# Altium PCB SuperCapV0.PcbDoc (continued)
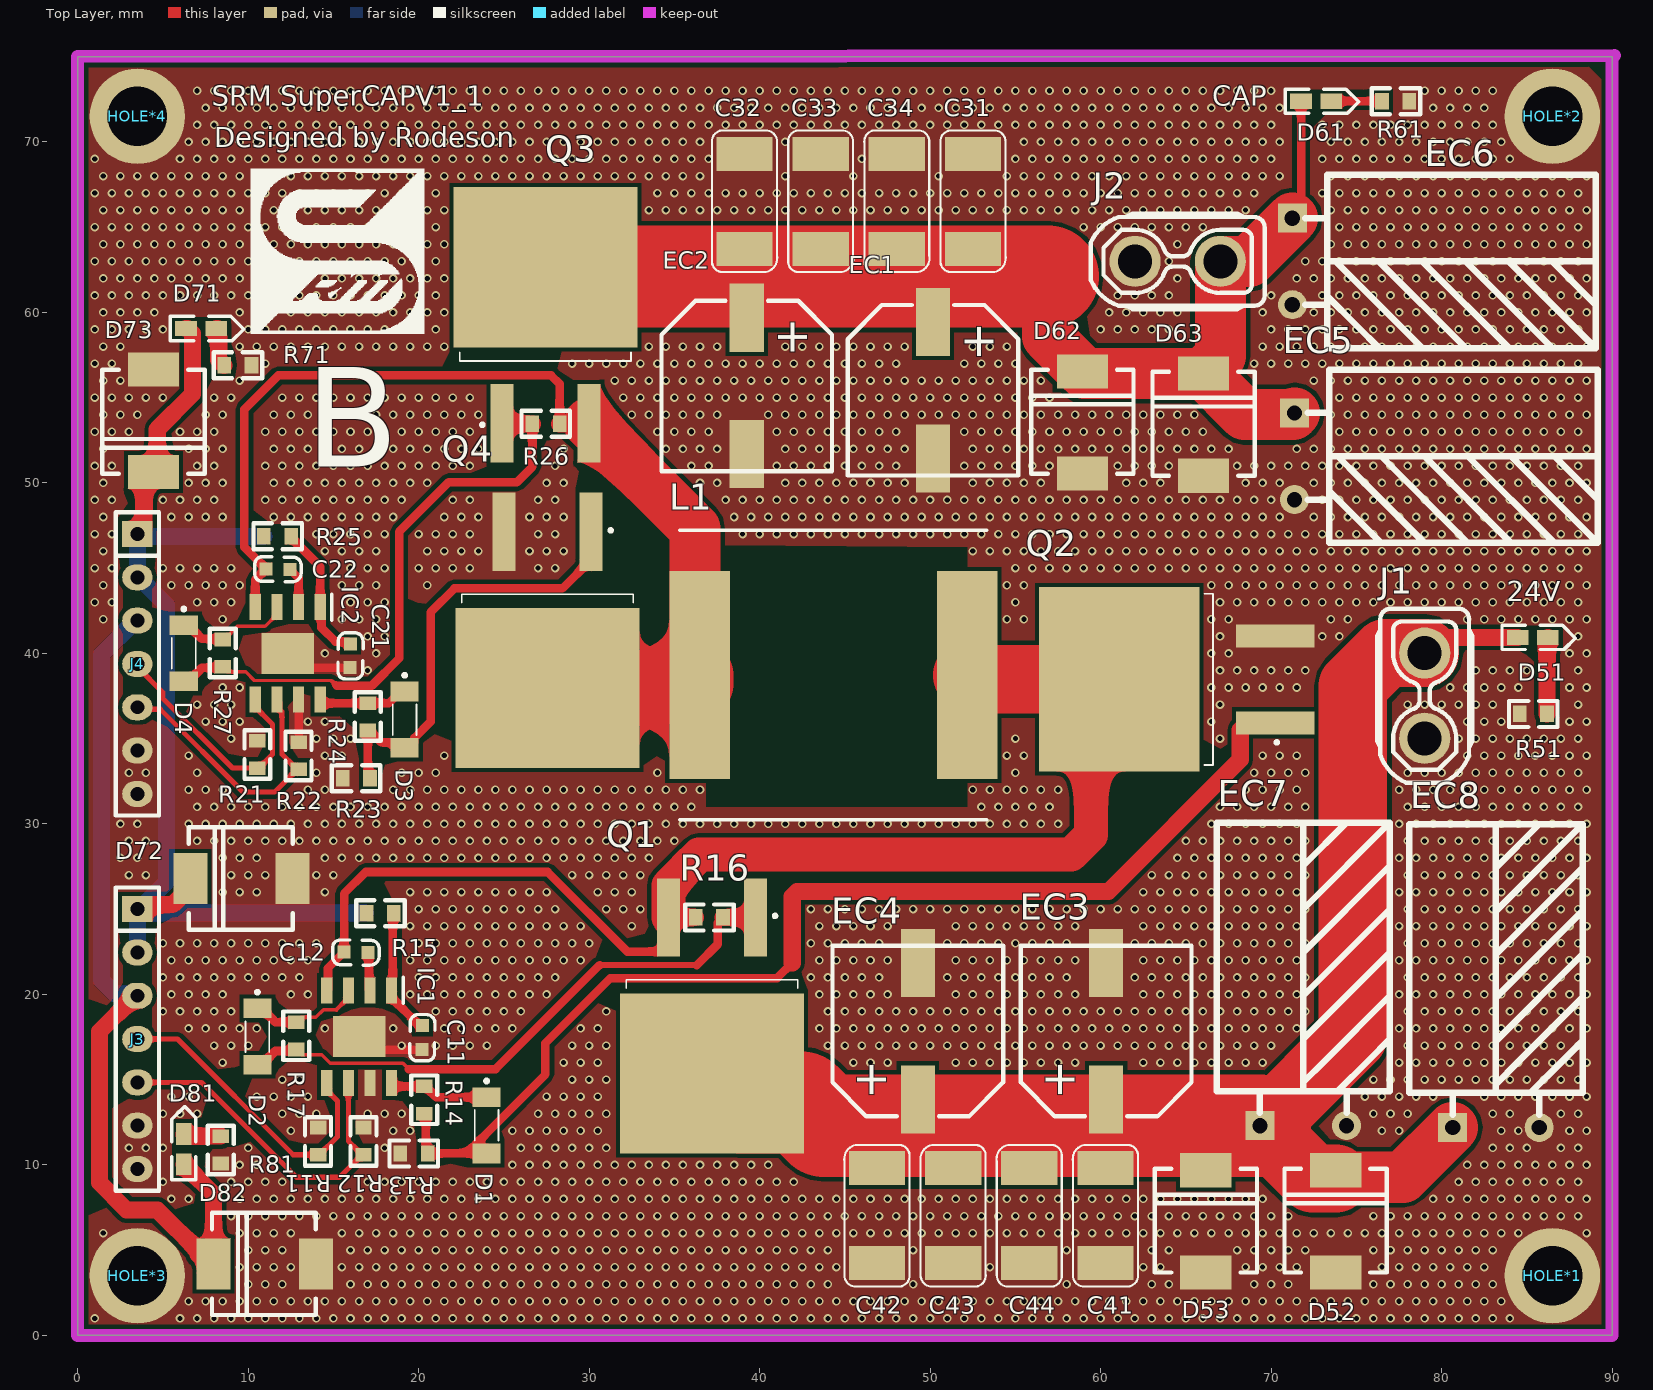
[diagram p0: Top Layer view]
## Nets (pads, with @x,y where several pads share a name; then routed paths per layer and width w, separated by ;. In a path a pad name is that pad's centre, name@x,y a point inside that pad or via, vN(x,y) a via of type N, cw(c..) or ccw(c..) an arc to the next point about the centre after c; other vN are vias at no path point)
5V: D81.A D82.K J3.3 J4.3 | length 51.3
  Top Layer w1: J3.3 3.373,19.92 1.27,17.817 1.27,8.959 2.87,7.359 4.667,7.359 7.054,4.972 7.054,4.757 7.62,4.191 D82.K ; D81.A 7.97,8.286 D82.K@7.97,4.691
  Bottom Layer w1: J3.3 3.4,20.02 2.205,20.02 1.397,20.828 1.397,39.944 3.373,41.92 J4.3
12V: D71.A D72.K D73.K J3.1 J3.2 J4.1 J4.2 R15.2 R25.2 | length 64.9
  Top Layer w1: J3.1 3.762,25.262 5.569,25.262 6.604,26.297 D72.K ; J4.1 3.627,47 3.889,47.262 3.889,50.142 4.389,50.642 D73.K 4.666,50.863 4.666,53.142 6.731,55.207 6.731,58.76 6.43,59.062 D71.A
  Bottom Layer w1: J3.2 J3.1 ; 10.922,46.863 3.637,46.863 J4.1 J4.2 3.588,44.46 5.207,42.841 5.207,26.58 3.627,25 J3.1 ; 16.891,24.765 3.735,24.765 J3.1
24V: C41.1 C42.1 C43.1 C44.1 D51.A D52.K D53.K EC3.1 EC4.1 EC7.1 EC8.1 J1.1 Q1.2 | length 84.6
  Top Layer w1: 80.466,40.939 D51.A
  Top Layer w3: D52.K 74.199,9.271 77.724,9.271 EC8.1
  Top Layer w4: D52.K@73.787,9.196 72.446,9.196 EC7.1 69.583,12.3 74.791,17.508 74.791,38.088 76.723,40.02 J1.1
  Top Layer w6: Q1.2 38.901,13.661 42.435,13.661 43.796,12.3 EC7.1
CAP: C31.1 C32.1 C33.1 C34.1 D61.A D62.K D63.K EC1.1 EC2.1 EC5.1 EC6.1 J2.1 Q3.2 | length 68.2
  Top Layer w0.5: EC6.1@71.755,66.04 D61.A
  Top Layer w3: 56.896,62.103 56.896,58.578 D62.K 59.055,56.419 D63.K ; EC6.1 68.709,62.994 J2.1 67.02,57.44 66.04,56.461 D63.K ; EC5.1 71.278,54.006 68.453,54.006 D63.K
  Top Layer w6: Q3.2 27.981,62.103 39.243,62.103 56.896,62.103
GND: C11.1 C21.1 C31.2 C32.2 C33.2 C34.2 C41.2 C42.2 C43.2 C44.2 D52.A D53.A D62.A D63.A D72.A D73.A D82.A EC1.2 EC2.2 EC3.2 EC4.2 EC5.2 EC6.2 EC7.2 EC8.2 HOLE*1.1 HOLE*2.1 HOLE*3.1 HOLE*4.1 IC1.7 IC1.9 IC2.7 IC2.9 J1.2 J2.2 J3.6 J3.7 J4.6 J4.7 Q2.3 Q4.3 R11.2 R12.2 R13.1 R21.2 R22.2 R23.1 R51.1 R61.1 R71.1 R81.1 | length 10.5
  Top Layer w0.5: IC2.9 13.163,39.161 C21.1 ; R22.2 IC2.7 ; IC1.9 17.272,16.764 C11.1
  other v1: 1,1 6,1 7,1 8,1 9,1 10,1 11,1 12,1 13,1 14,1 15,1 16,1 17,1 18,1 19,1 20,1 21,1 22,1 23,1 24,1 25,1 26,1 27,1 28,1 29,1 30,1 31,1 32,1 33,1 34,1 35,1 36,1 37,1 38,1 39,1 40,1 41,1 42,1 43,1 44,1 45,1 46,1 47,1 48,1 49,1 50,1 51,1 52,1 53,1 54,1 55,1 56,1 57,1 58,1 59,1 60,1 61,1 62,1 63,1 64,1 65,1 66,1 67,1 68,1 69,1 70,1 71,1 72,1 73,1 74,1 75,1 76,1 77,1 78,1 79,1 80,1 81,1 82,1 83,1 84,1 6.5,2 7.5,2 8.5,2 9.5,2 10.5,2 11.5,2 12.5,2 13.5,2 14.5,2 15.5,2 16.5,2 17.5,2 18.5,2 19.5,2 20.5,2 21.5,2 22.5,2 23.5,2 24.5,2 25.5,2 26.5,2 27.5,2 28.5,2 29.5,2 30.5,2 31.5,2 32.5,2 33.5,2 34.5,2 35.5,2 36.5,2 37.5,2 38.5,2 39.5,2 40.5,2 41.5,2 42.5,2 43.5,2 44.5,2 45.5,2 46.5,2 47.5,2 48.5,2 49.5,2 50.5,2 51.5,2 52.5,2 53.5,2 54.5,2 55.5,2 56.5,2 57.5,2 58.5,2 59.5,2 60.5,2 61.5,2 62.5,2 63.5,2 64.5,2 65.5,2 66.5,2 67.5,2 68.5,2 69.5,2 70.5,2 71.5,2 72.5,2 73.5,2 74.5,2 75.5,2 76.5,2 77.5,2 78.5,2 79.5,2 80.5,2 81.5,2 82.5,2 83.5,2 10,3 11,3 12,3 16,3 17,3 18,3 19,3 20,3 21,3 22,3 23,3 24,3 25,3 26,3 27,3 28,3 29,3 30,3 31,3 32,3 33,3 34,3 35,3 36,3 37,3 38,3 39,3 40,3 41,3 42,3 43,3 44,3 49,3 58,3 63,3 64,3 69,3 70,3 71,3 76,3 77,3 78,3 79,3 80,3 81,3 82,3 83,3 9.5,4 10.5,4 11.5,4 12.5,4 15.5,4 16.5,4 17.5,4 18.5,4 19.5,4 20.5,4 21.5,4 22.5,4 23.5,4 24.5,4 25.5,4 26.5,4 27.5,4 28.5,4 29.5,4 30.5,4 31.5,4 32.5,4 33.5,4 34.5,4 35.5,4 36.5,4 37.5,4 38.5,4 39.5,4 40.5,4 41.5,4 42.5,4 43.5,4 44.5,4 53.5,4 62.5,4 63.5,4 68.5,4 69.5,4 70.5,4 71.5,4 76.5,4 77.5,4 78.5,4 79.5,4 80.5,4 81.5,4 82.5,4 10,5 11,5 12,5 16,5 17,5 18,5 19,5 20,5 21,5 22,5 23,5 24,5 25,5 26,5 27,5 28,5 29,5 30,5 31,5 32,5 33,5 34,5 35,5 36,5 37,5 38,5 39,5 40,5 41,5 42,5 43,5 44,5 49,5 58,5 63,5 64,5 68,5 69,5 70,5 71,5 72,5 76,5 77,5 78,5 79,5 80,5 81,5 82,5 83,5 1.5,6 9.5,6 10.5,6 11.5,6 12.5,6 15.5,6 16.5,6 17.5,6 18.5,6 19.5,6 20.5,6 21.5,6 22.5,6 23.5,6 24.5,6 25.5,6 26.5,6 27.5,6 28.5,6 29.5,6 30.5,6 31.5,6 32.5,6 33.5,6 34.5,6 35.5,6 36.5,6 37.5,6 38.5,6 39.5,6 40.5,6 41.5,6 42.5,6 43.5,6 44.5,6 45.5,6 46.5,6 47.5,6 48.5,6 49.5,6 50.5,6 51.5,6 52.5,6 53.5,6 54.5,6 55.5,6 56.5,6 57.5,6 58.5,6 59.5,6 60.5,6 61.5,6 62.5,6 63.5,6 64.5,6 65.5,6 66.5,6 67.5,6 68.5,6 69.5,6 70.5,6 71.5,6 72.5,6 73.5,6 74.5,6 75.5,6 76.5,6 77.5,6 78.5,6 79.5,6 80.5,6 81.5,6 82.5,6 83.5,6 84.5,6 88.5,6 9,7 10,7 11,7 12,7 13,7 14,7 15,7 16,7 17,7 18,7 19,7 20,7 21,7 22,7 23,7 24,7 25,7 26,7 27,7 28,7 29,7 30,7 31,7 32,7 33,7 34,7 35,7 36,7 37,7 38,7 39,7 40,7 41,7 42,7 43,7 44,7 45,7 46,7 47,7 48,7 49,7 50,7 51,7 52,7 53,7 54,7 55,7 56,7 57,7 58,7 59,7 60,7 61,7 62,7 63,7 64,7 65,7 66,7 67,7 68,7 69,7 70,7 71,7 76,7 77,7 78,7 79,7 80,7 81,7 82,7 83,7 84,7 85,7 86,7 87,7 88,7 5.5,8 6.5,8 9.5,8 10.5,8 11.5,8 12.5,8 13.5,8 14.5,8 15.5,8 16.5,8 17.5,8 18.5,8 19.5,8 20.5,8 21.5,8 22.5,8 23.5,8 24.5,8 25.5,8 26.5,8 27.5,8 28.5,8 29.5,8 30.5,8 31.5,8 32.5,8 33.5,8 34.5,8 35.5,8 36.5,8 37.5,8 38.5,8 39.5,8 40.5,8 41.5,8 42.5,8 43.5,8 44.5,8 45.5,8 46.5,8 47.5,8 48.5,8 49.5,8 50.5,8 51.5,8 52.5,8 53.5,8 54.5,8 55.5,8 56.5,8 57.5,8 58.5,8 59.5,8 60.5,8 61.5,8 62.5,8 63.5,8 64.5,8 65.5,8 66.5,8 67.5,8 68.5,8 69.5,8 79.5,8 80.5,8 81.5,8 82.5,8 83.5,8 84.5,8 85.5,8 86.5,8 87.5,8 88.5,8 5,9 9,9 10,9 11,9 12,9 17,9 18,9 19,9 20,9 21,9 22,9 23,9 24,9 25,9 26,9 27,9 28,9 29,9 30,9 31,9 32,9 33,9 34,9 35,9 36,9 37,9 38,9 39,9 40,9 41,9 42,9 81,9 82,9 83,9 84,9 85,9 86,9 87,9 88,9 9.5,10 10.5,10 25.5,10 26.5,10 27.5,10 28.5,10 29.5,10 30.5,10 31.5,10 32.5,10 33.5,10 34.5,10 35.5,10 36.5,10 37.5,10 38.5,10 39.5,10 40.5,10 81.5,10 82.5,10 83.5,10 84.5,10 85.5,10 86.5,10 87.5,10 88.5,10 3,11 4,11 5,11 10,11 18,11 26,11 27,11 28,11 29,11 30,11 31,11 83,11 84,11 85,11 87,11 88,11 12.5,12 18.5,12 19.5,12 25.5,12 26.5,12 27.5,12 28.5,12 29.5,12 30.5,12 76.5,12 77.5,12 83.5,12 84.5,12 87.5,12 88.5,12 5,13 6,13 7,13 12,13 13,13 14,13 17,13 18,13 19,13 27,13 28,13 29,13 30,13 31,13 76,13 77,13 78,13 83,13 84,13 87,13 88,13 5.5,14 6.5,14 10.5,14 11.5,14 12.5,14 13.5,14 27.5,14 28.5,14 29.5,14 30.5,14 75.5,14 76.5,14 77.5,14 78.5,14 79.5,14 82.5,14 83.5,14 84.5,14 85.5,14 86.5,14 87.5,14 88.5,14 12,15 13,15 29,15 30,15 31,15 76,15 77,15 78,15 79,15 80,15 81,15 82,15 83,15 84,15 85,15 86,15 87,15 88,15 8.5,16 28.5,16 29.5,16 30.5,16 45.5,16 46.5,16 47.5,16 51.5,16 52.5,16 53.5,16 54.5,16 55.5,16 56.5,16 57.5,16 58.5,16 62.5,16 63.5,16 64.5,16 65.5,16 66.5,16 67.5,16 68.5,16 69.5,16 77.5,16 78.5,16 79.5,16 80.5,16 81.5,16 82.5,16 83.5,16 84.5,16 85.5,16 86.5,16 87.5,16 88.5,16 8,17 9,17 10,17 19,17 21,17 22,17 23,17 24,17 29,17 30,17 31,17 44,17 45,17 46,17 47,17 48,17 49,17 50,17 51,17 52,17 53,17 54,17 55,17 56,17 57,17 58,17 59,17 60,17 61,17 62,17 63,17 64,17 65,17 66,17 67,17 68,17 69,17 70,17 78,17 79,17 80,17 81,17 82,17 83,17 84,17 85,17 86,17 87,17 88,17 6.5,18 7.5,18 8.5,18 9.5,18 10.5,18 14.5,18 18.5,18 21.5,18 22.5,18 23.5,18 24.5,18 25.5,18 29.5,18 30.5,18 43.5,18 44.5,18 45.5,18 46.5,18 47.5,18 48.5,18 49.5,18 50.5,18 51.5,18 52.5,18 53.5,18 54.5,18 55.5,18 56.5,18 57.5,18 58.5,18 59.5,18 60.5,18 61.5,18 62.5,18 63.5,18 64.5,18 65.5,18 66.5,18 67.5,18 68.5,18 69.5,18 70.5,18 71.5,18 77.5,18 78.5,18 79.5,18 80.5,18 81.5,18 82.5,18 83.5,18 84.5,18 85.5,18 86.5,18 87.5,18 88.5,18 5,19 6,19 7,19 8,19 9,19 21,19 22,19 23,19 24,19 25,19 26,19 31,19 44,19 45,19 46,19 47,19 48,19 49,19 50,19 51,19 52,19 53,19 54,19 55,19 56,19 57,19 58,19 59,19 60,19 61,19 62,19 63,19 64,19 65,19 66,19 67,19 68,19 69,19 70,19 71,19 72,19 78,19 79,19 80,19 81,19 82,19 83,19 84,19 85,19 86,19 87,19 88,19 5.5,20 6.5,20 7.5,20 8.5,20 12.5,20 13.5,20 19.5,20 20.5,20 21.5,20 22.5,20 23.5,20 24.5,20 25.5,20 26.5,20 27.5,20 43.5,20 44.5,20 45.5,20 46.5,20 47.5,20 51.5,20 52.5,20 53.5,20 54.5,20 55.5,20 56.5,20 57.5,20 58.5,20 62.5,20 63.5,20 64.5,20 65.5,20 66.5,20 67.5,20 68.5,20 69.5,20 70.5,20 71.5,20 77.5,20 78.5,20 79.5,20 80.5,20 81.5,20 82.5,20 83.5,20 84.5,20 85.5,20 86.5,20 87.5,20 88.5,20 5,21 6,21 7,21 8,21 9,21 10,21 11,21 12,21 13,21 20,21 21,21 22,21 23,21 24,21 25,21 26,21 27,21 28,21 43,21 44,21 45,21 46,21 47,21 51,21 52,21 53,21 54,21 55,21 56,21 57,21 58,21 62,21 63,21 64,21 65,21 66,21 67,21 68,21 69,21 70,21 71,21 72,21 78,21 79,21 80,21 81,21 82,21 83,21 84,21 85,21 86,21 87,21 88,21 5.5,22 6.5,22 7.5,22 8.5,22 9.5,22 10.5,22 11.5,22 12.5,22 13.5,22 19.5,22 20.5,22 21.5,22 22.5,22 23.5,22 24.5,22 25.5,22 26.5,22 27.5,22 28.5,22 29.5,22 43.5,22 44.5,22 45.5,22 46.5,22 47.5,22 51.5,22 52.5,22 53.5,22 54.5,22 55.5,22 56.5,22 57.5,22 58.5,22 62.5,22 63.5,22 64.5,22 65.5,22 66.5,22 67.5,22 68.5,22 69.5,22 70.5,22 71.5,22 77.5,22 78.5,22 79.5,22 80.5,22 81.5,22 82.5,22 83.5,22 84.5,22 85.5,22 86.5,22 87.5,22 88.5,22 5,23 6,23 7,23 8,23 9,23 10,23 11,23 12,23 13,23 14,23 20,23 21,23 22,23 23,23 24,23 25,23 26,23 27,23 28,23 29,23 30,23 43,23 44,23 45,23 46,23 47,23 51,23 52,23 53,23 54,23 55,23 56,23 57,23 58,23 62,23 63,23 64,23 65,23 66,23 67,23 68,23 69,23 70,23 71,23 72,23 78,23 79,23 80,23 81,23 82,23 83,23 84,23 85,23 86,23 87,23 88,23 19.5,24 20.5,24 21.5,24 22.5,24 23.5,24 24.5,24 25.5,24 26.5,24 27.5,24 28.5,24 29.5,24 32.5,24 43.5,24 44.5,24 45.5,24 46.5,24 47.5,24 51.5,24 52.5,24 53.5,24 54.5,24 55.5,24 56.5,24 57.5,24 58.5,24 62.5,24 63.5,24 64.5,24 65.5,24 66.5,24 67.5,24 68.5,24 69.5,24 70.5,24 71.5,24 77.5,24 78.5,24 79.5,24 80.5,24 81.5,24 82.5,24 83.5,24 84.5,24 85.5,24 86.5,24 87.5,24 88.5,24 20,25 21,25 22,25 23,25 24,25 25,25 26,25 27,25 28,25 31,25 32,25 33,25 43,25 44,25 45,25 46,25 47,25 48,25 49,25 50,25 51,25 52,25 53,25 54,25 55,25 56,25 57,25 58,25 59,25 60,25 61,25 62,25 63,25 64,25 65,25 66,25 67,25 68,25 69,25 70,25 71,25 72,25 78,25 79,25 80,25 81,25 82,25 83,25 84,25 85,25 86,25 87,25 88,25 8.5,26 9.5,26 10.5,26 14.5,26 19.5,26 20.5,26 21.5,26 22.5,26 23.5,26 24.5,26 25.5,26 26.5,26 27.5,26 30.5,26 31.5,26 32.5,26 62.5,26 63.5,26 64.5,26 65.5,26 66.5,26 67.5,26 68.5,26 69.5,26 70.5,26 71.5,26 77.5,26 78.5,26 79.5,26 80.5,26 81.5,26 82.5,26 83.5,26 84.5,26 85.5,26 86.5,26 87.5,26 88.5,26 3,27 4,27 9,27 10,27 11,27 14,27 15,27 29,27 30,27 31,27 32,27 33,27 63,27 64,27 65,27 66,27 67,27 68,27 69,27 70,27 71,27 72,27 78,27 79,27 80,27 81,27 82,27 83,27 84,27 85,27 86,27 87,27 88,27 2.5,28 3.5,28 8.5,28 9.5,28 10.5,28 14.5,28 15.5,28 16.5,28 17.5,28 18.5,28 19.5,28 20.5,28 21.5,28 22.5,28 23.5,28 24.5,28 25.5,28 26.5,28 27.5,28 28.5,28 29.5,28 30.5,28 31.5,28 32.5,28 33.5,28 64.5,28 65.5,28 66.5,28 67.5,28 68.5,28 69.5,28 70.5,28 71.5,28 77.5,28 78.5,28 79.5,28 80.5,28 81.5,28 82.5,28 83.5,28 84.5,28 85.5,28 86.5,28 87.5,28 88.5,28 3,29 4,29 7,29 8,29 9,29 10,29 11,29 12,29 13,29 14,29 15,29 16,29 17,29 18,29 19,29 20,29 21,29 22,29 23,29 24,29 25,29 26,29 27,29 28,29 29,29 30,29 31,29 32,29 33,29 34,29 35,29 65,29 66,29 67,29 68,29 69,29 70,29 71,29 72,29 78,29 79,29 80,29 81,29 82,29 83,29 84,29 85,29 86,29 87,29 88,29 2.5,30 3.5,30 6.5,30 7.5,30 8.5,30 9.5,30 10.5,30 11.5,30 12.5,30 13.5,30 14.5,30 15.5,30 16.5,30 17.5,30 18.5,30 19.5,30 20.5,30 21.5,30 22.5,30 23.5,30 24.5,30 25.5,30 26.5,30 27.5,30 28.5,30 29.5,30 30.5,30 31.5,30 32.5,30 33.5,30 34.5,30 35.5,30 36.5,30 37.5,30 38.5,30 39.5,30 40.5,30 41.5,30 42.5,30 43.5,30 44.5,30 45.5,30 46.5,30 47.5,30 48.5,30 49.5,30 50.5,30 51.5,30 52.5,30 53.5,30 54.5,30 55.5,30 56.5,30 57.5,30 66.5,30 67.5,30 68.5,30 69.5,30 70.5,30 71.5,30 77.5,30 78.5,30 79.5,30 80.5,30 81.5,30 82.5,30 83.5,30 84.5,30 85.5,30 86.5,30 87.5,30 88.5,30 7,31 8,31 9,31 10,31 11,31 12,31 13,31 14,31 15,31 16,31 17,31 18,31 19,31 20,31 21,31 22,31 23,31 24,31 25,31 26,31 27,31 28,31 29,31 30,31 31,31 32,31 33,31 34,31 35,31 36,31 53,31 54,31 55,31 56,31 57,31 67,31 68,31 69,31 70,31 71,31 72,31 78,31 79,31 80,31 81,31 82,31 83,31 84,31 85,31 86,31 87,31 88,31 6.5,32 7.5,32 8.5,32 13.5,32 14.5,32 18.5,32 19.5,32 20.5,32 21.5,32 22.5,32 23.5,32 24.5,32 25.5,32 26.5,32 27.5,32 28.5,32 29.5,32 30.5,32 31.5,32 32.5,32 33.5,32 34.5,32 35.5,32 36.5,32 52.5,32 53.5,32 54.5,32 55.5,32 56.5,32 57.5,32 68.5,32 69.5,32 70.5,32 71.5,32 77.5,32 78.5,32 79.5,32 80.5,32 81.5,32 82.5,32 83.5,32 84.5,32 85.5,32 86.5,32 87.5,32 88.5,32 3,33 4,33 7,33 14,33 19,33 20,33 21,33 34,33 55,33 69,33 70,33 71,33 72,33 78,33 79,33 80,33 81,33 82,33 83,33 84,33 85,33 86,33 87,33 88,33 6.5,34 14.5,34 15.5,34 21.5,34 54.5,34 55.5,34 69.5,34 70.5,34 71.5,34 81.5,34 82.5,34 83.5,34 84.5,34 85.5,34 86.5,34 87.5,34 88.5,34 9,35 14,35 15,35 16,35 55,35 67,35 81,35 82,35 83,35 84,35 85,35 86,35 87,35 88,35 7.5,36 8.5,36 9.5,36 13.5,36 14.5,36 66.5,36 81.5,36 82.5,36 83.5,36 87.5,36 88.5,36 7,37 8,37 9,37 67,37 78,37 79,37 80,37 81,37 82,37 83,37 88,37 8.5,38 9.5,38 66.5,38 67.5,38 68.5,38 69.5,38 70.5,38 71.5,38 80.5,38 81.5,38 82.5,38 83.5,38 84.5,38 87.5,38 88.5,38 17,39 67,39 68,39 69,39 70,39 71,39 72,39 82,39 83,39 84,39 85,39 88,39 14.5,40 17.5,40 66.5,40 67.5,40 87.5,40 88.5,40 17,41 18,41 67,41 73,41 74,41 88,41 1.5,42 8.5,42 15.5,42 16.5,42 17.5,42 54.5,42 55.5,42 66.5,42 67.5,42 73.5,42 74.5,42 81.5,42 82.5,42 83.5,42 84.5,42 85.5,42 86.5,42 87.5,42 88.5,42 1,43 2,43 7,43 8,43 9,43 16,43 17,43 18,43 55,43 67,43 68,43 69,43 70,43 71,43 72,43 73,43 74,43 75,43 76,43 77,43 78,43 79,43 80,43 81,43 82,43 83,43 84,43 85,43 86,43 87,43 88,43 1.5,44 5.5,44 6.5,44 7.5,44 8.5,44 9.5,44 15.5,44 16.5,44 17.5,44 20.5,44 54.5,44 55.5,44 66.5,44 67.5,44 68.5,44 69.5,44 70.5,44 71.5,44 72.5,44 73.5,44 74.5,44 75.5,44 76.5,44 77.5,44 78.5,44 79.5,44 80.5,44 81.5,44 82.5,44 83.5,44 84.5,44 85.5,44 86.5,44 87.5,44 88.5,44 1,45 2,45 5,45 6,45 7,45 8,45 9,45 16,45 17,45 18,45 20,45 21,45 22,45 23,45 27,45 28,45 55,45 56,45 57,45 58,45 59,45 60,45 61,45 62,45 63,45 64,45 65,45 66,45 67,45 68,45 69,45 70,45 71,45 72,45 73,45 74,45 75,45 76,45 77,45 78,45 79,45 80,45 81,45 82,45 83,45 84,45 85,45 86,45 87,45 88,45 1.5,46 14.5,46 15.5,46 16.5,46 17.5,46 20.5,46 21.5,46 22.5,46 23.5,46 26.5,46 27.5,46 28.5,46 52.5,46 53.5,46 54.5,46 55.5,46 56.5,46 57.5,46 58.5,46 59.5,46 60.5,46 61.5,46 62.5,46 63.5,46 64.5,46 65.5,46 66.5,46 67.5,46 68.5,46 69.5,46 70.5,46 71.5,46 72.5,46 73.5,46 74.5,46 75.5,46 76.5,46 77.5,46 78.5,46 79.5,46 80.5,46 81.5,46 82.5,46 83.5,46 84.5,46 85.5,46 86.5,46 87.5,46 88.5,46 1,47 2,47 14,47 15,47 16,47 17,47 18,47 20,47 21,47 22,47 23,47 27,47 28,47 39,47 40,47 41,47 42,47 43,47 44,47 45,47 46,47 47,47 48,47 49,47 50,47 51,47 52,47 53,47 54,47 55,47 56,47 57,47 58,47 59,47 60,47 61,47 62,47 63,47 64,47 65,47 66,47 67,47 68,47 69,47 70,47 71,47 72,47 73,47 74,47 75,47 76,47 77,47 78,47 79,47 80,47 81,47 82,47 83,47 84,47 85,47 86,47 87,47 88,47 1.5,48 5.5,48 6.5,48 7.5,48 8.5,48 11.5,48 12.5,48 13.5,48 14.5,48 15.5,48 16.5,48 17.5,48 18.5,48 21.5,48 22.5,48 23.5,48 26.5,48 27.5,48 28.5,48 38.5,48 39.5,48 40.5,48 41.5,48 42.5,48 43.5,48 44.5,48 45.5,48 46.5,48 47.5,48 48.5,48 49.5,48 50.5,48 51.5,48 52.5,48 53.5,48 54.5,48 55.5,48 56.5,48 57.5,48 58.5,48 59.5,48 60.5,48 61.5,48 62.5,48 63.5,48 64.5,48 65.5,48 66.5,48 67.5,48 68.5,48 69.5,48 70.5,48 72.5,48 73.5,48 74.5,48 75.5,48 76.5,48 77.5,48 78.5,48 79.5,48 80.5,48 81.5,48 82.5,48 83.5,48 84.5,48 85.5,48 86.5,48 87.5,48 88.5,48 1,49 2,49 5,49 6,49 7,49 8,49 11,49 12,49 13,49 14,49 15,49 16,49 17,49 18,49 19,49 22,49 23,49 27,49 28,49 38,49 39,49 40,49 41,49 42,49 43,49 44,49 45,49 46,49 47,49 48,49 49,49 50,49 51,49 52,49 53,49 54,49 55,49 56,49 57,49 58,49 59,49 60,49 61,49 62,49 63,49 64,49 65,49 66,49 67,49 68,49 69,49 70,49 73,49 74,49 75,49 76,49 77,49 78,49 79,49 80,49 81,49 82,49 83,49 84,49 85,49 86,49 87,49 88,49 1.5,50 6.5,50 7.5,50 8.5,50 11.5,50 12.5,50 13.5,50 14.5,50 15.5,50 16.5,50 17.5,50 18.5,50 19.5,50 20.5,50 27.5,50 28.5,50 36.5,50 37.5,50 41.5,50 42.5,50 43.5,50 44.5,50 45.5,50 46.5,50 47.5,50 48.5,50 52.5,50 53.5,50 54.5,50 55.5,50 56.5,50 61.5,50 62.5,50 63.5,50 68.5,50 69.5,50 70.5,50 72.5,50 73.5,50 74.5,50 75.5,50 76.5,50 77.5,50 78.5,50 79.5,50 80.5,50 81.5,50 82.5,50 83.5,50 84.5,50 85.5,50 86.5,50 87.5,50 88.5,50 1,51 2,51 7,51 8,51 11,51 12,51 13,51 14,51 15,51 16,51 17,51 18,51 19,51 20,51 21,51 22,51 23,51 28,51 36,51 37,51 41,51 42,51 43,51 44,51 45,51 46,51 47,51 48,51 52,51 53,51 54,51 55,51 56,51 57,51 61,51 62,51 63,51 64,51 68,51 69,51 70,51 71,51 72,51 73,51 74,51 75,51 76,51 77,51 78,51 79,51 80,51 81,51 82,51 83,51 84,51 85,51 86,51 87,51 88,51 1.5,52 6.5,52 7.5,52 8.5,52 11.5,52 12.5,52 13.5,52 14.5,52 15.5,52 16.5,52 17.5,52 18.5,52 19.5,52 20.5,52 21.5,52 22.5,52 23.5,52 28.5,52 34.5,52 35.5,52 36.5,52 37.5,52 41.5,52 42.5,52 43.5,52 44.5,52 45.5,52 46.5,52 47.5,52 48.5,52 52.5,52 53.5,52 54.5,52 55.5,52 56.5,52 57.5,52 58.5,52 59.5,52 60.5,52 61.5,52 62.5,52 63.5,52 64.5,52 65.5,52 66.5,52 67.5,52 71.5,52 72.5,52 73.5,52 74.5,52 75.5,52 76.5,52 77.5,52 78.5,52 79.5,52 80.5,52 81.5,52 82.5,52 83.5,52 84.5,52 85.5,52 86.5,52 87.5,52 88.5,52 1,53 2,53 3,53 6,53 7,53 8,53 11,53 12,53 13,53 14,53 15,53 16,53 17,53 18,53 19,53 20,53 21,53 22,53 23,53 34,53 35,53 36,53 37,53 41,53 42,53 43,53 44,53 45,53 46,53 47,53 48,53 52,53 53,53 54,53 55,53 56,53 57,53 58,53 59,53 60,53 61,53 62,53 63,53 64,53 65,53 66,53 74,53 75,53 76,53 77,53 78,53 79,53 80,53 81,53 82,53 83,53 84,53 85,53 86,53 87,53 88,53 1.5,54 2.5,54 3.5,54 7.5,54 8.5,54 11.5,54 12.5,54 13.5,54 14.5,54 15.5,54 16.5,54 17.5,54 18.5,54 19.5,54 20.5,54 21.5,54 22.5,54 23.5,54 32.5,54 33.5,54 34.5,54 35.5,54 36.5,54 37.5,54 40.5,54 41.5,54 42.5,54 43.5,54 44.5,54 45.5,54 46.5,54 47.5,54 48.5,54 49.5,54 50.5,54 51.5,54 52.5,54 53.5,54 54.5,54 55.5,54 56.5,54 57.5,54 58.5,54 59.5,54 60.5,54 61.5,54 62.5,54 63.5,54 64.5,54 65.5,54 73.5,54 74.5,54 75.5,54 76.5,54 77.5,54 78.5,54 79.5,54 80.5,54 81.5,54 82.5,54 83.5,54 84.5,54 85.5,54 86.5,54 87.5,54 88.5,54 1,55 2,55 3,55 4,55 5,55 8,55 9,55 12,55 13,55 14,55 15,55 16,55 17,55 18,55 19,55 20,55 21,55 22,55 23,55 32,55 33,55 34,55 35,55 36,55 37,55 38,55 39,55 40,55 41,55 42,55 43,55 44,55 45,55 46,55 47,55 48,55 49,55 50,55 51,55 52,55 53,55 54,55 55,55 56,55 57,55 74,55 75,55 76,55 77,55 78,55 79,55 80,55 81,55 82,55 83,55 84,55 85,55 86,55 87,55 88,55 1.5,56 2.5,56 9.5,56 31.5,56 32.5,56 33.5,56 34.5,56 35.5,56 36.5,56 37.5,56 38.5,56 39.5,56 40.5,56 41.5,56 42.5,56 43.5,56 44.5,56 45.5,56 46.5,56 47.5,56 48.5,56 49.5,56 50.5,56 51.5,56 52.5,56 53.5,56 54.5,56 55.5,56 56.5,56 72.5,56 73.5,56 74.5,56 75.5,56 76.5,56 77.5,56 78.5,56 79.5,56 80.5,56 81.5,56 82.5,56 83.5,56 84.5,56 85.5,56 86.5,56 87.5,56 88.5,56 1,57 2,57 11,57 29,57 30,57 31,57 32,57 33,57 34,57 35,57 36,57 37,57 38,57 39,57 40,57 41,57 42,57 43,57 44,57 45,57 46,57 47,57 48,57 52,57 53,57 54,57 55,57 69,57 70,57 71,57 72,57 73,57 74,57 75,57 76,57 77,57 78,57 79,57 80,57 81,57 82,57 83,57 84,57 85,57 86,57 87,57 88,57 1.5,58 2.5,58 9.5,58 10.5,58 11.5,58 12.5,58 13.5,58 14.5,58 15.5,58 16.5,58 17.5,58 18.5,58 19.5,58 20.5,58 21.5,58 33.5,58 34.5,58 35.5,58 36.5,58 37.5,58 41.5,58 42.5,58 43.5,58 44.5,58 45.5,58 46.5,58 47.5,58 48.5,58 52.5,58 53.5,58 54.5,58 69.5,58 70.5,58 71.5,58 72.5,58 73.5,58 74.5,58 75.5,58 76.5,58 77.5,58 78.5,58 79.5,58 80.5,58 81.5,58 82.5,58 83.5,58 84.5,58 85.5,58 86.5,58 87.5,58 88.5,58 1,59 2,59 3,59 4,59 5,59 10,59 11,59 12,59 13,59 14,59 15,59 16,59 17,59 18,59 19,59 20,59 21,59 60,59 61,59 62,59 63,59 64,59 70,59 71,59 72,59 73,59 74,59 75,59 76,59 77,59 78,59 79,59 80,59 81,59 82,59 83,59 84,59 85,59 86,59 87,59 88,59 1.5,60 2.5,60 3.5,60 4.5,60 9.5,60 10.5,60 11.5,60 12.5,60 13.5,60 14.5,60 15.5,60 16.5,60 17.5,60 18.5,60 19.5,60 20.5,60 21.5,60 60.5,60 61.5,60 62.5,60 63.5,60 64.5,60 69.5,60 72.5,60 73.5,60 74.5,60 75.5,60 76.5,60 77.5,60 78.5,60 79.5,60 80.5,60 81.5,60 82.5,60 83.5,60 84.5,60 85.5,60 86.5,60 87.5,60 88.5,60 1,61 2,61 3,61 4,61 5,61 6,61 7,61 8,61 9,61 10,61 11,61 12,61 13,61 14,61 15,61 16,61 17,61 18,61 19,61 20,61 21,61 61,61 62,61 63,61 64,61 70,61 73,61 74,61 75,61 76,61 77,61 78,61 79,61 80,61 81,61 82,61 83,61 84,61 85,61 86,61 87,61 88,61 1.5,62 2.5,62 3.5,62 4.5,62 5.5,62 6.5,62 7.5,62 8.5,62 9.5,62 10.5,62 11.5,62 12.5,62 13.5,62 14.5,62 15.5,62 16.5,62 17.5,62 18.5,62 19.5,62 20.5,62 21.5,62 64.5,62 71.5,62 72.5,62 73.5,62 74.5,62 75.5,62 76.5,62 77.5,62 78.5,62 79.5,62 80.5,62 81.5,62 82.5,62 83.5,62 84.5,62 85.5,62 86.5,62 87.5,62 88.5,62 1,63 2,63 3,63 4,63 5,63 6,63 7,63 8,63 9,63 10,63 11,63 12,63 13,63 14,63 15,63 16,63 17,63 18,63 19,63 20,63 21,63 64,63 72,63 73,63 74,63 75,63 76,63 77,63 78,63 79,63 80,63 81,63 82,63 83,63 84,63 85,63 86,63 87,63 88,63 1.5,64 2.5,64 3.5,64 4.5,64 5.5,64 6.5,64 7.5,64 8.5,64 9.5,64 10.5,64 11.5,64 12.5,64 13.5,64 14.5,64 15.5,64 16.5,64 17.5,64 18.5,64 19.5,64 20.5,64 21.5,64 64.5,64 73.5,64 74.5,64 75.5,64 76.5,64 77.5,64 78.5,64 79.5,64 80.5,64 81.5,64 82.5,64 83.5,64 84.5,64 85.5,64 86.5,64 87.5,64 88.5,64 1,65 2,65 3,65 4,65 5,65 6,65 7,65 8,65 9,65 10,65 11,65 12,65 13,65 14,65 15,65 16,65 17,65 18,65 19,65 20,65 21,65 59,65 60,65 61,65 62,65 63,65 64,65 65,65 66,65 74,65 75,65 76,65 77,65 78,65 79,65 80,65 81,65 82,65 83,65 84,65 85,65 86,65 87,65 88,65 1.5,66 2.5,66 3.5,66 4.5,66 5.5,66 6.5,66 7.5,66 8.5,66 9.5,66 10.5,66 11.5,66 12.5,66 13.5,66 14.5,66 15.5,66 16.5,66 17.5,66 18.5,66 19.5,66 20.5,66 21.5,66 33.5,66 34.5,66 35.5,66 36.5,66 37.5,66 38.5,66 39.5,66 40.5,66 41.5,66 42.5,66 43.5,66 44.5,66 45.5,66 46.5,66 47.5,66 48.5,66 49.5,66 50.5,66 51.5,66 52.5,66 53.5,66 54.5,66 55.5,66 56.5,66 57.5,66 58.5,66 59.5,66 60.5,66 61.5,66 62.5,66 63.5,66 64.5,66 65.5,66 66.5,66 67.5,66 68.5,66 73.5,66 74.5,66 75.5,66 76.5,66 77.5,66 78.5,66 79.5,66 80.5,66 81.5,66 82.5,66 83.5,66 84.5,66 85.5,66 86.5,66 87.5,66 88.5,66 1,67 2,67 3,67 4,67 5,67 6,67 7,67 8,67 9,67 10,67 11,67 12,67 13,67 14,67 15,67 16,67 17,67 18,67 19,67 20,67 21,67 34,67 35,67 36,67 37,67 38,67 39,67 40,67 41,67 42,67 43,67 44,67 45,67 46,67 47,67 48,67 49,67 50,67 51,67 52,67 53,67 54,67 55,67 56,67 57,67 58,67 59,67 60,67 61,67 62,67 63,67 64,67 65,67 66,67 67,67 68,67 69,67 73,67 74,67 75,67 76,67 77,67 78,67 79,67 80,67 81,67 82,67 83,67 84,67 85,67 86,67 87,67 88,67 1.5,68 2.5,68 3.5,68 4.5,68 5.5,68 6.5,68 7.5,68 8.5,68 9.5,68 10.5,68 11.5,68 12.5,68 13.5,68 14.5,68 15.5,68 16.5,68 17.5,68 18.5,68 19.5,68 20.5,68 21.5,68 22.5,68 23.5,68 24.5,68 25.5,68 26.5,68 27.5,68 28.5,68 29.5,68 30.5,68 31.5,68 32.5,68 33.5,68 34.5,68 35.5,68 36.5,68 41.5,68 45.5,68 50.5,68 54.5,68 55.5,68 56.5,68 57.5,68 58.5,68 59.5,68 60.5,68 61.5,68 62.5,68 63.5,68 64.5,68 65.5,68 66.5,68 67.5,68 68.5,68 69.5,68 70.5,68 73.5,68 74.5,68 75.5,68 76.5,68 77.5,68 78.5,68 79.5,68 80.5,68 81.5,68 82.5,68 83.5,68 84.5,68 85.5,68 86.5,68 87.5,68 88.5,68 1,69 6,69 7,69 8,69 9,69 10,69 11,69 12,69 13,69 14,69 15,69 16,69 17,69 18,69 19,69 20,69 21,69 22,69 23,69 24,69 25,69 26,69 27,69 28,69 29,69 30,69 31,69 32,69 33,69 34,69 35,69 36,69 37,69 46,69 55,69 56,69 57,69 58,69 59,69 60,69 61,69 62,69 63,69 64,69 65,69 66,69 67,69 68,69 69,69 70,69 73,69 74,69 75,69 76,69 77,69 78,69 79,69 80,69 81,69 82,69 83,69 84,69 6.5,70 7.5,70 8.5,70 9.5,70 10.5,70 11.5,70 12.5,70 13.5,70 14.5,70 15.5,70 16.5,70 17.5,70 18.5,70 19.5,70 20.5,70 21.5,70 22.5,70 23.5,70 24.5,70 25.5,70 26.5,70 27.5,70 28.5,70 29.5,70 30.5,70 31.5,70 32.5,70 33.5,70 34.5,70 35.5,70 36.5,70 41.5,70 55.5,70 56.5,70 57.5,70 58.5,70 59.5,70 60.5,70 61.5,70 62.5,70 63.5,70 64.5,70 65.5,70 66.5,70 67.5,70 68.5,70 69.5,70 70.5,70 73.5,70 74.5,70 75.5,70 76.5,70 77.5,70 78.5,70 79.5,70 80.5,70 81.5,70 82.5,70 83.5,70 7,71 8,71 9,71 10,71 11,71 12,71 13,71 14,71 15,71 16,71 17,71 18,71 19,71 20,71 21,71 22,71 23,71 24,71 25,71 26,71 27,71 28,71 29,71 30,71 31,71 32,71 33,71 34,71 35,71 36,71 37,71 38,71 39,71 40,71 41,71 42,71 43,71 44,71 45,71 46,71 47,71 48,71 49,71 50,71 51,71 52,71 53,71 54,71 55,71 56,71 57,71 58,71 59,71 60,71 61,71 62,71 63,71 64,71 65,71 66,71 67,71 68,71 69,71 70,71 73,71 74,71 75,71 76,71 77,71 78,71 79,71 80,71 81,71 82,71 83,71 7.5,72 8.5,72 9.5,72 10.5,72 11.5,72 12.5,72 13.5,72 14.5,72 15.5,72 16.5,72 17.5,72 18.5,72 19.5,72 20.5,72 21.5,72 22.5,72 23.5,72 24.5,72 25.5,72 26.5,72 27.5,72 28.5,72 29.5,72 30.5,72 31.5,72 32.5,72 33.5,72 34.5,72 35.5,72 36.5,72 37.5,72 38.5,72 39.5,72 40.5,72 41.5,72 42.5,72 43.5,72 44.5,72 45.5,72 46.5,72 47.5,72 48.5,72 49.5,72 50.5,72 51.5,72 52.5,72 53.5,72 54.5,72 55.5,72 56.5,72 57.5,72 58.5,72 59.5,72 60.5,72 61.5,72 62.5,72 63.5,72 64.5,72 65.5,72 66.5,72 67.5,72 68.5,72 69.5,72 70.5,72 79.5,72 80.5,72 81.5,72 82.5,72 7,73 8,73 9,73 10,73 11,73 12,73 13,73 14,73 15,73 16,73 17,73 18,73 19,73 20,73 21,73 22,73 23,73 24,73 25,73 26,73 27,73 28,73 29,73 30,73 31,73 32,73 33,73 34,73 35,73 36,73 37,73 38,73 39,73 40,73 41,73 42,73 43,73 44,73 45,73 46,73 47,73 48,73 49,73 50,73 51,73 52,73 53,73 54,73 55,73 56,73 57,73 58,73 59,73 60,73 61,73 62,73 63,73 64,73 65,73 66,73 67,73 68,73 69,73 70,73 79,73 80,73 81,73 82,73 83,73
NetC11_2: C11.2 IC1.1 R15.1 | length 7.5
  Top Layer w0.5: R15.1 18.479,24.701 18.479,20.302 IC1.1 18.415,19.801 19.924,18.292 20.087,18.292 C11.2
NetC12_1: C12.1 IC1.4 L1.2 Q1.3 Q2.2 R16.2 | length 77.7
  Top Layer w0.5: IC1.4 14.68,20.313 14.68,21.538 C12.1 15.621,25.908 16.891,27.178 27.559,27.178 32.231,22.506 34.226,22.506 34.651,22.931 Q1.3
  Top Layer w1: Q1.3 R16.2
  Top Layer w2: Q1.3 34.651,26.396 36.449,28.194 58.264,28.194 59.436,29.366 59.436,36.83 Q2.2
  Top Layer w4: L1.2 52.173,38.706 52.398,38.481 59.436,38.481 Q2.2
NetC12_2: C12.2 IC1.2 | length 2.3
  Top Layer w0.5: C12.2 17.081,22.39 17.081,20.302 IC1.2
NetC21_2: C21.2 IC2.1 R25.1 | length 8.2
  Top Layer w0.5: R25.1 12.522,46.781 14.224,45.078 IC2.1 14.299,42.642 14.299,41.507 15.117,40.689 15.871,40.689 C21.2
NetC22_1: C22.1 IC2.4 L1.1 Q3.3 Q4.2 R26.2 | length 63
  Top Layer w0.5: IC2.4 10.414,44.323 C22.1 9.779,46.228 9.779,54.319 11.766,56.306 27.768,56.306 28.27,55.804 R26.2
  Top Layer w1: R26.2 29.947,53.467 Q3.3
  Top Layer w3: Q3.3 30.007,53.502 36.198,47.311 36.198,39.01 L1.1
  Top Layer w4: Q4.2 36.248,37.973 36.473,38.198 L1.1
NetC22_2: C22.2 IC2.2 | length 2.4
  Top Layer w0.5: C22.2 12.954,44.425 IC2.2
NetD1_1: D1.1 IC1.8 R14.1 | length 5.9
  Top Layer w0.3: IC1.8 18.415,14.78 IC1.8@18.59,14.605
  Top Layer w0.5: IC1.8@18.59,14.605 R14.1 20.402,14.605 21.038,13.969 D1.1
NetD1_2: D1.2 Q2.1 R13.2 R14.2 | length 68.2
  Top Layer w0.5: R14.2 20.421,12.904 20.421,10.769 R13.2 ; R13.2 21.869,10.668 22.795,10.669 ; D1.2 22.795,10.669 ; 41.91,21.844 41.021,20.955 31.242,20.955 27.432,17.145 27.432,15.305 22.795,10.669
  Top Layer w1: 41.91,21.844 41.91,25.742 42.203,26.035 60.452,26.035 68.187,33.77 68.187,35.506 68.612,35.931 Q2.1
NetD2_1: D2.1 IC1.3 R17.1 | length 6.7
  Top Layer w0.2: R17.1 13.127,18.664 13.974,18.664 14.415,19.105 15.179,19.105
  Top Layer w0.25: 15.179,19.105 15.875,19.801 IC1.3
  Top Layer w0.5: D2.1 10.791,19.176 11.595,18.372 12.819,18.372 R17.1
NetD2_2: D2.2 Q1.1 R16.1 R17.2 | length 34.5
  Top Layer w0.2: R17.2 13.127,16.464 14.321,16.464 14.813,15.972 19.08,15.972 19.431,15.621 ; R16.1@37.546,24.211 R16.1
  Top Layer w0.35: 30.607,21.717 36.322,21.717
  Top Layer w0.5: D2.2 10.791,15.876 11.595,16.68 12.743,16.68 R17.2 ; 19.431,15.621 24.511,15.621 30.607,21.717 ; 36.322,21.717 37.546,22.941 R16.1@37.546,24.211
  Top Layer w1: R16.1 Q1.1
NetD3_1: D3.1 IC2.8 R24.1 | length 5.4
  Top Layer w0.5: IC2.8 14.224,37.153 14.299,37.078 R24.1 17.026,37.086 18.25,37.086 18.927,37.763 D3.1
NetD3_2: D3.2 Q4.1 R23.2 R24.2 | length 26.5
  Top Layer w0.5: R23.2 17.018,32.811 R24.2 17.1,35.478 17.79,34.788 18.852,34.788 D3.2 19.427,34.463 19.752,34.788 19.752,35.038 20.701,35.987 20.701,42.418 22.098,43.815 28.426,43.815 30.109,45.498 Q4.1
NetD4_1: D4.1 IC2.3 R27.1 | length 6.9
  Top Layer w0.2: R27.1 8.591,40.812 9.363,41.583 10.988,41.583 11.684,42.28 IC2.3
  Top Layer w0.5: D4.1 6.473,41.655 7.277,40.851 8.47,40.851 R27.1
NetD4_2: D4.2 Q3.1 R26.1 R27.2 | length 35.3
  Top Layer w0.2: R27.2 8.809,38.912 9.856,38.912 10.359,38.409 14.871,38.409 15.18,38.1
  Top Layer w0.5: D4.2 6.473,38.355 7.277,39.159 8.455,39.159 R27.2 ; 15.18,38.1 17.243,38.1 18.852,39.709 18.852,47.134 21.756,50.038 25.765,50.038 26.67,50.943 R26.1
  Top Layer w1: Q3.1 24.917,53.467 R26.1
NetD51_K: D51.K R51.2 | length 4.5
  Top Layer w1: R51.2 86.182,40.888 D51.K
NetD61_K: D61.K R61.2 | length 3
  Top Layer w0.5: D61.K R61.2
NetD71_K: D71.K R71.2 | length 2.4
  Top Layer w1: D71.K 8.208,59.062 8.263,59.006 8.263,57.224 R71.2
NetD81_K: D81.K R81.2 | length 2.3
  Top Layer w1: D81.K 6.223,11.74 6.279,11.684 R81.2
TIM1_CH1: IC1.5 J3.4 R11.1 | length 18.4
  Top Layer w0.3: J3.4 5.853,17.38 12.64,10.592 R11.1 14.179,10.592 15.24,11.653 15.24,13.741 14.605,14.376 IC1.5
TIM1_CH2: IC1.6 J3.5 R12.1 | length 20.7
  Top Layer w0.3: J3.5 7.258,14.84 12.827,9.271 15.36,9.271 R12.1@16.682,10.592 ; IC1.6 15.875,11.399 R12.1@16.682,10.592 ; R12.1 R12.1@16.682,10.592
TIM1_CH3: IC2.5 J4.4 R21.1 | length 14.7
  Top Layer w0.3: J4.4 3.5,39.197 4.994,37.703 4.994,37.354 9.074,33.274 R21.1 10.623,33.274 11.43,34.081 11.43,35.839 10.414,36.855 IC2.5
TIM1_CH4: IC2.6 J4.5 R22.1 | length 16.6
  Top Layer w0.3: J4.5 3.614,36.726 4.839,36.726 9.688,31.877 11.55,31.877 R22.1@12.872,33.198 ; IC2.6 11.859,37.118 11.859,36.701 11.984,36.576 11.984,34.086 R22.1@12.872,33.198 ; R22.1 R22.1@12.872,33.198

## Polygon pours and split planes (outlines as drawn)
GND on Bottom Layer "Bottom Layer-GND 1" (solid, remove dead copper, pour order 48): 0,0 90,0 90,75 89.816,75.184 0.254,75.184
GND on Bottom Layer "GND_L02_P012" (solid, remove dead copper, pour order 12): 72.263,81.915
GND on Bottom Layer "GND_L02_P004" (solid, remove dead copper, pour order 4): 0,74.93
GND on Top Layer "Top Layer-GND" (solid, remove dead copper, pour order 46): 0,0 90.297,0 90.297,74.703 89.816,75.184 0,75.184
GND on Top Layer "Top Layer-GND 1" (solid, remove dead copper, pour order 34): 90.043,0.254

## Keep-outs
Keep-Out Layer:
  lines w0.762: 0,75 0,0 90,0 90,75 ; 0.127,75 90.127,75.057

## Other copper
Top Layer:
  pour cut-out: 36.83,46.354 36.83,30.987 52.197,30.987 52.197,46.227
  pour cut-out: 43.053,37.592
Bottom Layer:
  pour cut-out: 36.83,46.355 36.83,30.988 52.197,30.988 52.197,46.228

## Silkscreen, mask and mechanical layers (free items; w line width, h text height)
Top Overlay:
  drawing of 525 lines, arcs and shapes, not listed
  text "SRM SuperCAPV1_1" at 7.874,71.755 h2
  text "CAP" at 66.548,71.73 h2
  text "Designed by Rodeson" at 8.001,69.303 h2
  text "B" at 13.335,49.043 h10
  text "24V" at 83.82,42.672 h2
Top Solder:
  lines w0.5: 71.247,65.532 71.755,66.04
  lines w1: 79.006,40.02 79.547,40.02 80.466,40.939
  lines w3: 56.896,62.103 56.896,58.578 58.928,56.546 59.055,56.419 66.04,56.419 ; 71.247,65.532 68.709,62.994 67.02,62.994 67.02,57.399 66.04,56.419 ; 71.374,54.102 68.357,54.102 66.04,56.419 ; 73.787,9.683 74.274,9.196 77.649,9.196 80.645,12.192
  lines w4: 73.787,9.196 72.446,9.196 69.342,12.3 74.791,17.749 74.791,38.088 76.723,40.02 79.006,40.02
  lines w6: 27.981,62.103 56.896,62.103 ; 37.201,15.361 38.901,13.661 42.689,13.661 44.05,12.3 69.342,12.3
Mechanical 1:
  lines w0.254: 0,0.127 0.127,0 ; 0,75 0,0 90,0 90,75

## Text inside footprints (layer, text, board x,y; h text height)
EC1: Top Overlay "+" at 52.019,59.423 h2 r270
EC2: Top Overlay "+" at 41.097,59.677 h2 r270
EC3: Top Overlay "+" at 58.471,13.855 h2 r90
EC4: Top Overlay "+" at 47.422,13.855 h2 r90